# Altium PCB Archim.PcbDoc (part 1 of 5) (continued)
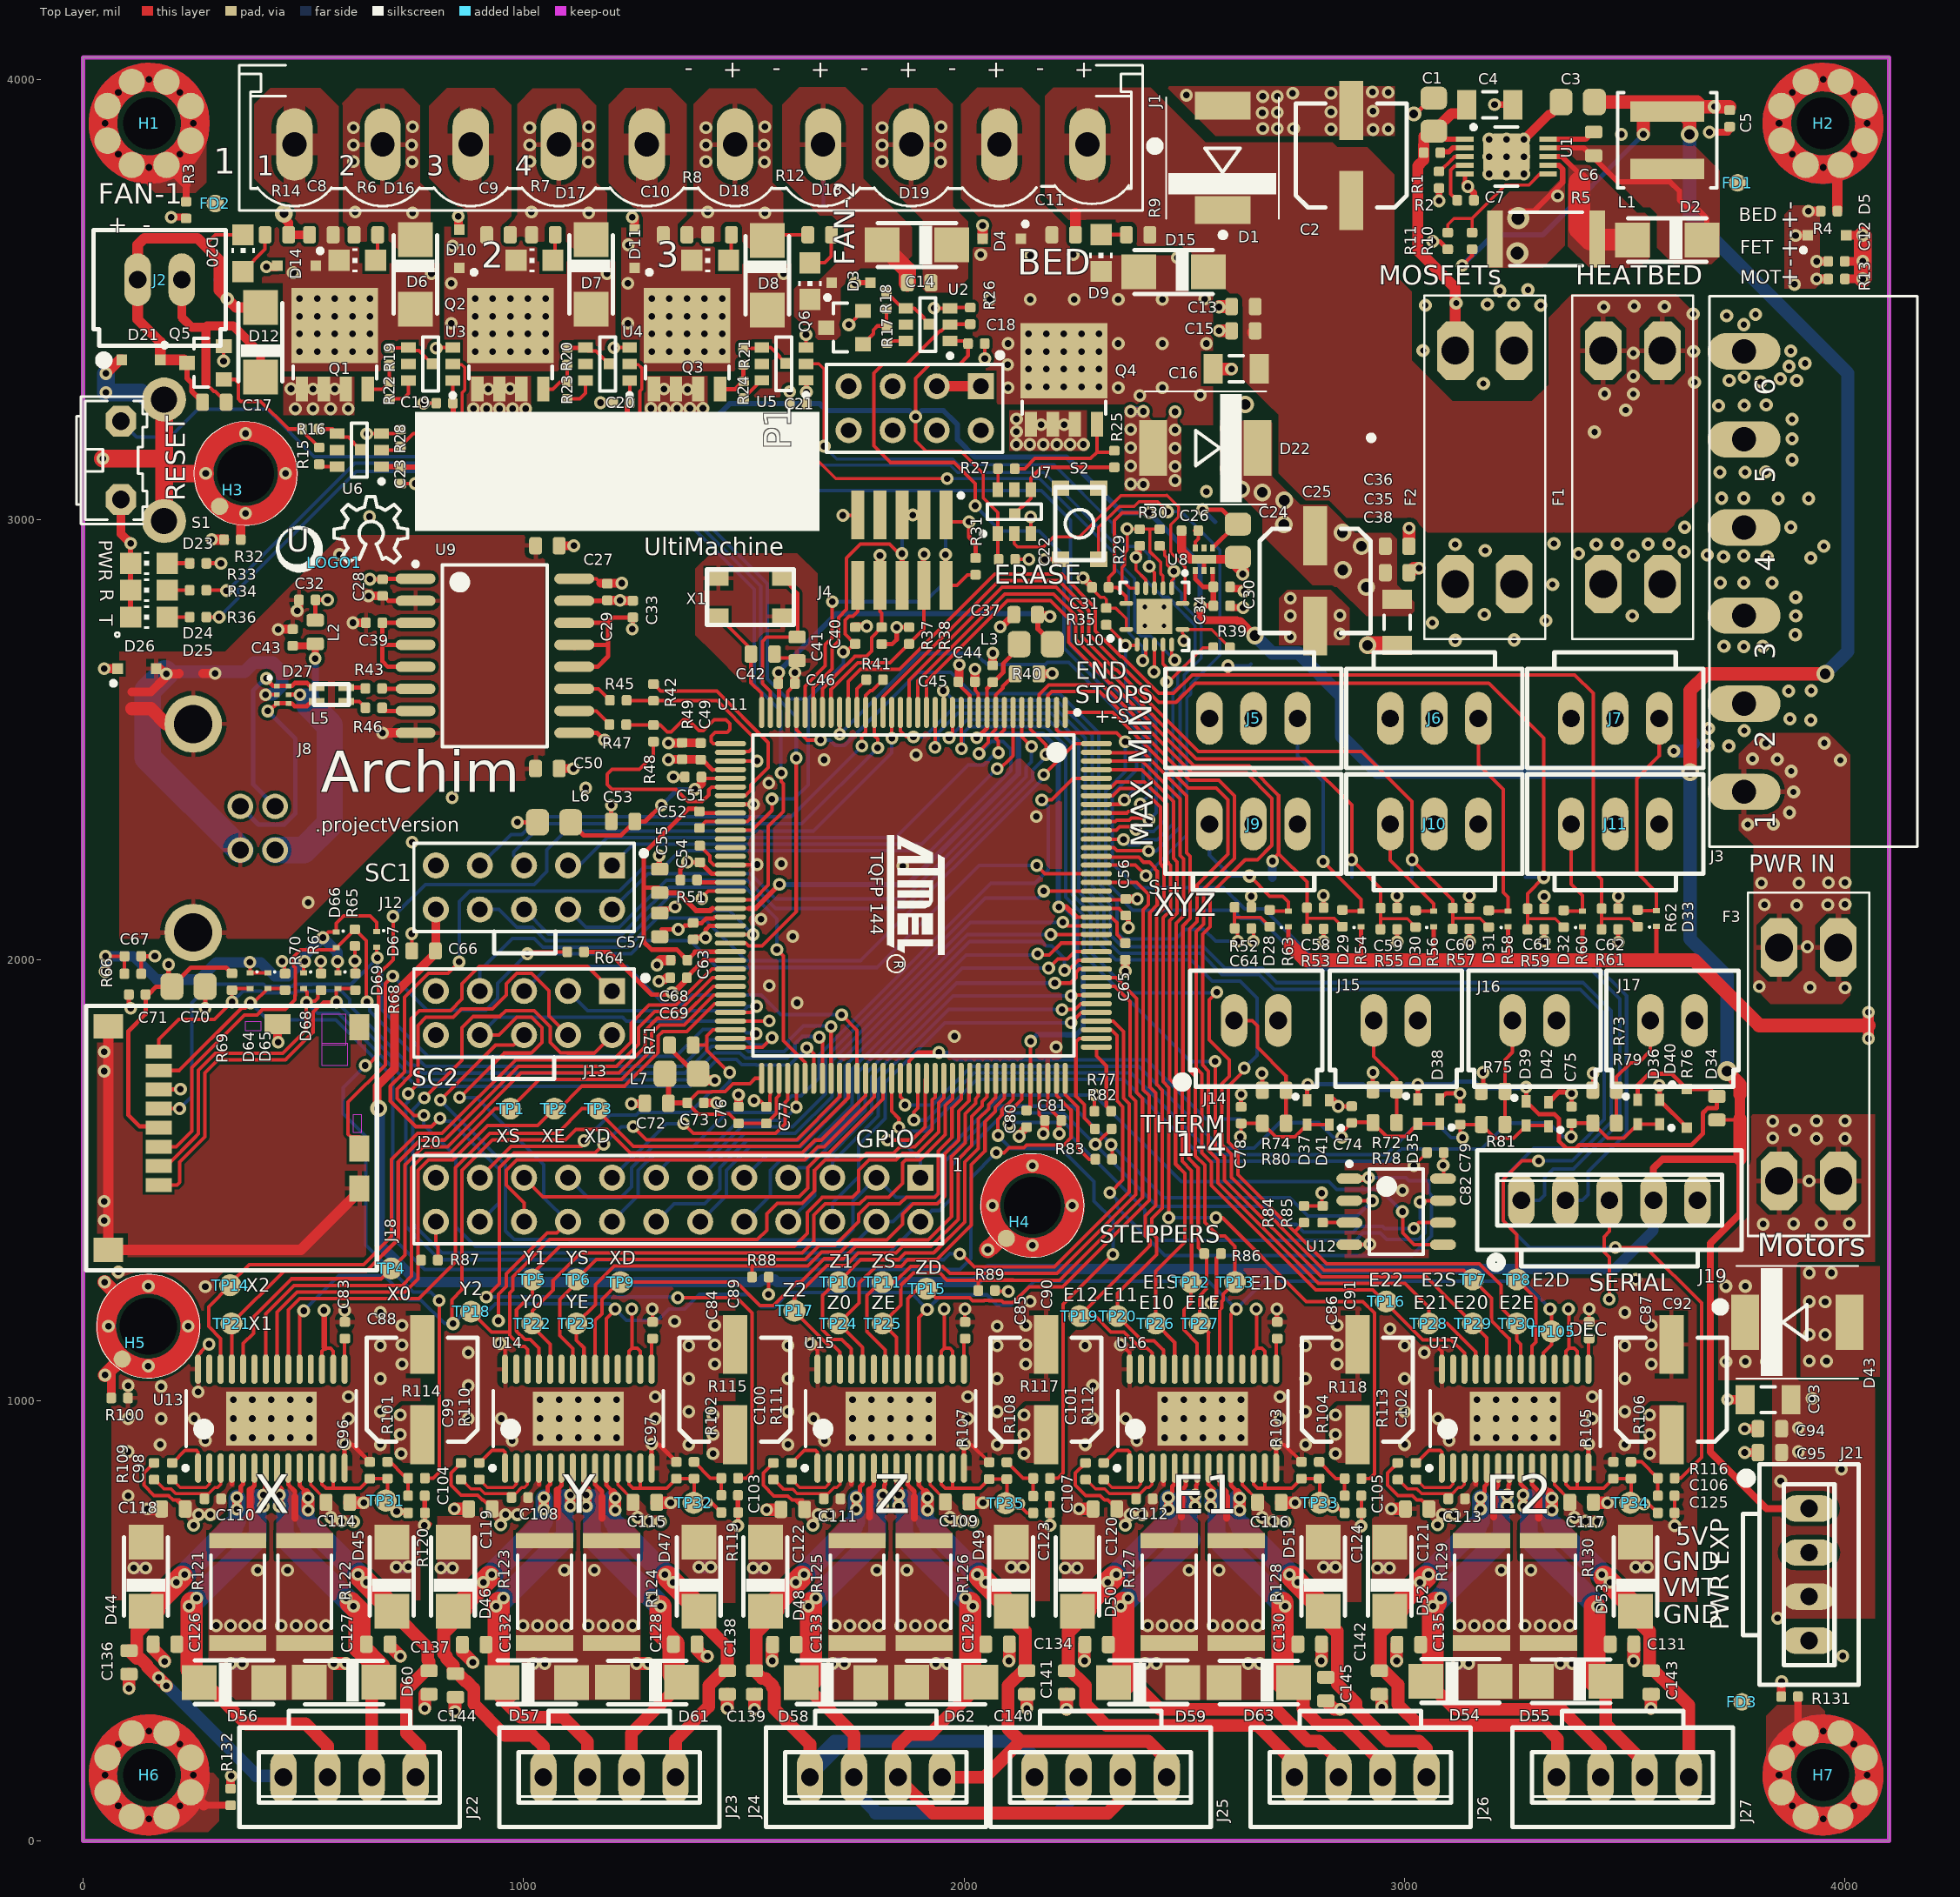
[diagram p0: Top Layer view]
## Components (designator, comment, footprint, x,y, rotation, side; value= is the part's Value field where it differs from the comment) (continued)
D29 "ESD9B3.3ST5G" SOD923-100X40-2N 2901,2094 r90 top (schematic designator D3)
D30 "ESD9B3.3ST5G" SOD923-100X40-2N 3066,2094 r90 top (schematic designator D13)
D31 "ESD9B3.3ST5G" SOD923-100X40-2N 3235,2094 r90 top (schematic designator D3)
D32 "ESD9B3.3ST5G" SOD923-100X40-2N 3404,2094 r90 top (schematic designator D13)
D33 "ESD9B3.3ST5G" SOD923-100X40-2N 3572,2095 r90 top (schematic designator D3)
D34 "MM3Z2V7T1G" SOD323-R 3641,1664 r270 top
D35 "1N4148WT" SOD523 3030,1656 r270 top (schematic designator D4)
D36 "1N4148WT" SOD523 3529,1655 r270 top (schematic designator D4)
D37 "1N4148WT" SOD523 2779,1654.44 r270 top (schematic designator D4)
D38 "1N4148WT" SOD523 3080,1656 r90 top (schematic designator D48)
D39 "1N4148WT" SOD523 3276,1652 r270 top (schematic designator D4)
D40 "1N4148WT" SOD523 3579,1655 r90 top (schematic designator D48)
D41 "1N4148WT" SOD523 2829,1654.44 r90 top (schematic designator D48)
D42 "1N4148WT" SOD523 3327,1650 r90 top (schematic designator D48)
D43 "S3A-13-F" DO-214AB 3891.37,1177.68 r0 top
D44 "SMAJ30A" SMA-SM 143.14,600 r90 top (schematic designator D14)
D45 "SMAJ30A" SMA-SM 701.14,600 r90 top (schematic designator D6)
D46 "SMAJ30A" SMA-SM 840,600 r90 top (schematic designator D14)
D47 "SMAJ30A" SMA-SM 1398,600 r90 top (schematic designator D6)
D48 "SMAJ30A" SMA-SM 1549.12,600 r90 top
D49 "SMAJ30A" SMA-SM 2107.12,600 r90 top
D50 "SMAJ30A" SMA-SM 2257.72,600 r90 top (schematic designator D14)
D51 "SMAJ30A" SMA-SM 2815.72,600 r90 top (schematic designator D6)
D52 "SMAJ30A" SMA-SM 2966.58,600 r90 top (schematic designator D14)
D53 "SMAJ30A" SMA-SM 3524.58,600 r90 top (schematic designator D6)
D54 "SMAJ30A" SMA-SM 3126.58,363 r0 top (schematic designator D16)
D55 "SMAJ30A" SMA-SM 3378,363 r180 top (schematic designator D10)
D56 "SMAJ30A" SMA-SM 342.51,360 r0 top (schematic designator D16)
D57 "SMAJ30A" SMA-SM 1029.53,360 r0 top (schematic designator D16)
D58 "SMAJ30A" SMA-SM 1709.12,360 r0 top
D59 "SMAJ30A" SMA-SM 2417.72,360 r0 top (schematic designator D16)
D60 "SMAJ30A" SMA-SM 592.52,360.24 r180 top (schematic designator D10)
D61 "SMAJ30A" SMA-SM 1280.51,360.24 r180 top (schematic designator D10)
D62 "SMAJ30A" SMA-SM 1959.65,360.24 r180 top
D63 "SMAJ30A" SMA-SM 2669,360 r180 top (schematic designator D10)
D64 "ESD9B3.3ST5G" SOD923-100X40-2N 378.94,1953.74 r270 top
D65 "ESD9B3.3ST5G" SOD923-100X40-2N 419.29,1953.74 r270 top
D66 "ESD9B3.3ST5G" SOD923-100X40-2N 574.8,2046.26 r270 top
D67 "ESD9B3.3ST5G" SOD923-100X40-2N 666.34,2047.24 r270 top
D68 "ESD9B3.3ST5G" SOD923-100X40-2N 500.98,1953.74 r270 top
D69 "ESD9B3.3ST5G" SOD923-100X40-2N 578.74,1953.74 r270 top
F1 "3557-2" 3557 3518,3119 r90 top
F2 "3557-2" 3557 3182,3119 r90 top
F3 "3557-2" 3557 3917.32,1763.78 r270 top
FD1 "FIDUCIAL" FIDUCIAL-1X2 3756,3765 r270 top
FD2 "FIDUCIAL" FIDUCIAL-1X2 300,3718 r90 top
FD3 "FIDUCIAL" FIDUCIAL-1X2 3766,316 r0 top
H1 "Hole" Wave_hole_3x7-singleSided#1 150,3900 r0 top locked
H2 "Hole" Wave_hole_3x7-singleSided#2 3950,3900 r0 top locked
H3 "Standoff" STANDOFF3MMTOPCONN#1 369,3105 r0 top
H4 "Standoff" STANDOFF3MMTOPCONN#2 2155,1443 r0 top
H5 "Standoff" STANDOFF3MMTOPCONN#1 148,1169 r0 top
H6 "Hole" Wave_hole_3x7-singleSided#1 150,150 r0 top locked
H7 "Hole" Wave_hole_3x7-singleSided#3 3950,150 r0 top locked
J1 "Molex 0395311010" MSTBV10 1380,3852 r0 top
J2 "C-GRID-02-70543" 70543-02 174,3545 r0 top
J3 "MSTBH6" MSTBH6 3770.63,2882.48 r90 top locked
J4 "20021121-00010C4LF" FTSH-105-XX-X-DV 1859,2931 r0 top
J5 "Molex 70543-03" 70543-03 2657,2549 r180 top (schematic designator J7)
J6 "Molex 70543-03" 70543-03 3067.5,2549 r180 top (schematic designator J7)
J7 "Molex 70543-03" 70543-03 3478,2549 r180 top
J8 "USB-B" PN61729 250,2300 r270 top
J9 "Molex 70543-03" 70543-03 2657,2309 r0 top (schematic designator J8)
J10 "Molex 70543-03" 70543-03 3067.5,2309 r0 top (schematic designator J8)
J11 "Molex 70543-03" 70543-03 3478,2309 r0 top (schematic designator J8)
J12 "Header 5X2" HDR2X5 1201,2215 r180 top
J13 "Header 5X2" HDR2X5 1201,1930 r180 top
J14 "C-GRID-02-70543" 70543-02 2663,1863 r0 top (schematic designator J8)
J15 "C-GRID-02-70543" 70543-02 2980,1863 r0 top (schematic designator J8)
J16 "C-GRID-02-70543" 70543-02 3295,1863 r0 top (schematic designator J8)
J17 "C-GRID-02-70543" 70543-02 3608,1863 r0 top (schematic designator J8)
J18 "502570-0893" "502570-0893 - MOLEX SD" 337.13,1596 r90 top
J19 "0705430004" 5POL254 3465,1455 r0 top
J20 "Header 12X2" HDR2X12 1901,1506 r180 top
J21 "Molex 0705430003" 4POL254 3918,605 r270 top
J22 "Molex 0705430003" 4POL254 605,145 r180 top (schematic designator J9)
J23 "Molex 0705430003" 4POL254 1195,145 r180 top (schematic designator J9)
J24 "Molex 0705430003" 4POL254 1800,145 r180 top
J25 "Molex 0705430003" 4POL254 2310,145 r180 top
J26 "Molex 0705430003" 4POL254 2900,145 r180 top (schematic designator J9)
J27 "Molex 0705430003" 4POL254 3495,145 r180 top (schematic designator J9)
L1 "XAL5050-153MEB" XAL50XX-153 3596.31,3861.43 r90 top
L2 "MPZ1608S221A" C0603 527,2745 r270 top
L3 "LQM21FN100M70L" C0805 2162.4,2717.52 r0 top
L5 "DLW21HN900SQ2L" DLW21HN900SQ2L 564,2602.81 r180 top
L6 "LQM21FN100M70L" C0805 1069,2313 r0 top
L7 "LQM21FN100M70L" C0805 1359,1742 r180 top
LOGO1 "OSHW_LOGO_8MILX0150-NT" OSHW_8X150_NOTEXT 569.88,2902.56 r0 top
P1 "Header 4X2" HDR2X4 2038,3303 r180 top
Q1 "PSMN7R0-60YS,115" SOT669 571.5,3397.03 r0 top
Q2 "PSMN7R0-60YS,115" SOT669 970,3397.03 r0 top
Q3 "PSMN7R0-60YS,115" SOT669 1371,3397.03 r0 top
Q4 "PSMN7R0-60YS,115" SOT669 2226.5,3317.03 r0 top
Q5 "IRLML6346TRPBF" SOT23-3 280,3356 r90 top
Q6 "IRLML6346TRPBF" SOT23-3 1731,3436 r90 top
R1 "200K" R0402 3062.31,3833.43 r180 top
R2 "10K" R0402 3078,3772 r270 top
R3 "R0402TBD" R0402 234,3703 r90 top
R4 "R0402TBD" R0402 3963.58,3700.63 r0 top
R5 "0.6r" 2512R-0.55 3321.31,3637.43 r0 top
R6 "1.8K" R0603#1 642,3647 r180 top
R7 "1.8K" R0603#1 1045,3647 r180 top
R8 "1.8K" R0603#1 1445,3646.99 r180 top
R9 "1.8K" R0603#1 2395,3646.99 r0 top
R10 "10K" R0402 3153.31,3632.99 r90 top
R11 "10K" R0402 3098,3633 r270 top
R12 "1.8K" R0603#1 1672,3647 r180 top
R13 "24r" R0402 3980.51,3546.66 r0 top
R14 "1.8K" R0603#1 440,3647 r0 top
R15 "10r" R0402 536,3145 r90 top
R16 "10r" R0402 516,3206 r180 top
R17 "10r" R0402 1825,3420 r90 top
R18 "10r" R0402 1824,3498 r270 top
R19 "10r" R0402 695.47,3371.06 r270 top
R20 "10r" R0402 1099.02,3371.06 r270 top
R21 "10r" R0402 1499,3371 r270 top
R22 "10r" R0402 696.46,3293.31 r90 top
R23 "10r" R0402 1099.02,3293.31 r90 top
R24 "10r" R0402 1500,3295 r90 top
R25 "10r" R0402 2341,3138 r90 top
R26 "10K" R0402 2014,3463 r270 top
R27 "10r" R0402 2096,3116 r0 top
R28 "10K" R0402 721,3186 r270 top
R29 "10K" R0402 2398.62,2959.65 r270 top
R30 "10K" R0402 2443.9,2959.65 r270 top
R31 "100K" R0402 2026,2894 r90 top
R32 "R0402TBD" R0402 339,2955 r0 top
R33 "1K" R0402 260.99,2901 r0 top
R34 "1K" R0402 261,2840 r180 top
R35 "10K" R0402 2322.83,2780.51 r270 top
R36 "1K" R0402 261,2779 r180 top
R37 "100K" R0402 1813,2737 r270 top
R38 "100K" R0402 1875,2736.99 r90 top
R39 "10K" R0402 2584.65,2709.65 r180 top
R40 "4.7K" R0603#1 2143,2650 r180 top
R41 "1k" R0402 1797,2637 r180 top
R42 "24r" R0402 1295,2608 r270 top
R43 "24r" R0402 660,2617 r180 top
R45 "24r" R0402 1215,2590 r180 top
R46 "24r" R0402 660,2573 r180 top
R47 "24r" R0402 1214,2535 r180 top
R48 "24r" R0402 1295,2515 r90 top
R49 "6.8K" R0402 1360,2475 r270 top
R51 "100K" R0402 1375,2182 r180 top
R52 "100K" R0402 2633,2120 r0 top (schematic designator R35)
R53 "100K" R0402 2797,2071 r0 top (schematic designator R22)
R54 "1k" R0402 2859,2095 r90 top (schematic designator R19)
R55 "100K" R0402 2964,2070 r0 top (schematic designator R35)
R56 "1k" R0402 3025,2094 r90 top (schematic designator R23)
R57 "100K" R0402 3128,2071 r0 top (schematic designator R22)
R58 "1k" R0402 3191,2094 r90 top (schematic designator R19)
R59 "100K" R0402 3297.82,2069.82 r0 top (schematic designator R35)
R60 "1k" R0402 3361,2094 r90 top (schematic designator R23)
R61 "100K" R0402 3466,2070 r0 top (schematic designator R22)
R62 "1k" R0402 3529,2095 r90 top (schematic designator R19)
R63 "1k" R0402 2694,2095 r90 top (schematic designator R23)
R64 "10K" R0402 1118.11,2018.7 r0 top
R65 "10K" R0402 617.13,2051.18 r90 top
R66 "R0402TBD" R0402 113,1969 r0 top
R67 "10K" R0402 540.35,1950.79 r90 top
R68 "10K" R0402 618.11,1950.79 r90 top
R69 "10K" R0402 338.13,1951 r270 top
R70 "10K" R0402 458.66,1950.79 r270 top
R71 "4.7K" R0603#1 1358,1807 r0 top
R72 "4.7K" R0603#1 2955,1706 r180 top (schematic designator R7)
R73 "4.7K" R0603#1 3454,1705 r180 top (schematic designator R7)
R74 "4.7K" R0603#1 2704,1704.44 r180 top (schematic designator R7)
R75 "4.7K" R0603#2 3201,1702 r0 top (schematic designator R7)
R76 "430r" R0603#1 3709,1664 r270 top
R77 "24r" R0402 2315,1657 r0 top
R78 "4.7K" R0603#1 2955,1631 r180 top (schematic designator R188)
R79 "4.7K" R0603#1 3454,1630 r180 top (schematic designator R188)
R80 "4.7K" R0603#1 2704,1629.44 r180 top (schematic designator R188)
R81 "4.7K" R0603#2 3201,1627 r0 top (schematic designator R188)
R82 "24r" R0402 2316,1617 r180 top
R83 "24r" R0402 2317,1548 r180 top
R84 "10K" R0402 2771.65,1423.23 r90 top (schematic designator R129)
R85 "10K" R0402 2814,1423 r90 top
R86 "10K" R0402 2563.98,1333.66 r0 top (schematic designator R129)
R87 "10K" R0402 786.42,1318.9 r0 top (schematic designator R129)
R88 "10K" R0402 1537.4,1280.51 r0 top (schematic designator R129)
R89 "10K" R0402 2051.18,1250 r0 top
R100 "R0402TBD" R0402 83,1006 r180 top
R101 "10K" R0402 691,842 r270 top (schematic designator R39)
R102 "10K" R0402 1387,842 r270 top (schematic designator R39)
R103 "100K" R0402 2766,842 r270 top (schematic designator R24)
R104 "10K" R0402 2806,842 r270 top (schematic designator R39)
R105 "100K" R0402 3474,842 r270 top (schematic designator R24)
R106 "10K" R0402 3514,842 r270 top (schematic designator R39)
R107 "100K" R0402 2057,841 r270 top
R108 "10K" R0402 2097,841 r270 top
R109 "1M" R0402 161.14,839.7 r90 top (schematic designator R21)
R110 "1M" R0402 858,839.7 r90 top (schematic designator R21)
R111 "1M" R0402 1567.12,839.7 r90 top
R112 "1M" R0402 2275.72,839.7 r90 top (schematic designator R21)
R113 "1M" R0402 2984.58,839.7 r90 top (schematic designator R21)
R114 "10K" R0402 757,824 r180 top (schematic designator R20)
R115 "10K" R0402 1468,824 r180 top (schematic designator R20)
R116 "10K" R0402 3594,824 r180 top (schematic designator R20)
R117 "10K" R0402 2176,823.42 r180 top
R118 "10K" R0402 2883,823 r180 top (schematic designator R20)
R119 "100K" R0402 1468,746 r180 top (schematic designator R24)
R120 "100K" R0402 757,745 r180 top (schematic designator R24)
R121 "2512" 2512R-0.55 351.14,566 r90 top (schematic designator R28)
R122 "2512" 2512R-0.55 503.14,566 r90 top (schematic designator R29)
R123 "2512" 2512R-0.55 1048,566 r90 top (schematic designator R28)
R124 "2512" 2512R-0.55 1200,566 r90 top (schematic designator R29)
R125 "2512" 2512R-0.55 1757.12,566 r90 top
R126 "2512" 2512R-0.55 1909.12,566 r90 top
R127 "2512" 2512R-0.55 2465.72,566 r90 top (schematic designator R28)
R128 "2512" 2512R-0.55 2617.72,566 r90 top (schematic designator R29)
R129 "2512" 2512R-0.55 3174.58,566 r90 top (schematic designator R28)
R130 "2512" 2512R-0.55 3326.58,566 r90 top (schematic designator R29)
R131 "R0402TBD" R0402 3874,328 r0 top
R132 "R0402TBD" R0402 335,100 r270 top
S1 "1571610-2" B3F-31XX 135,3135 r270 top locked
S2 "KMR741NG ULC LFS" "KMR 6 Series" 2262,2991 r90 top
TP1 "TP4" TP-2 970,1663 r180 top (schematic designator TP105)
TP2 "TP4" TP-2 1070,1663 r180 top (schematic designator TP15)
TP3 "TP4" TP-2 1170,1663 r180 top (schematic designator TP23)
TP4 "TP4" TP-2 700,1300 r180 top (schematic designator TP22)
TP5 "TP4" TP-2 1020,1275 r180 top (schematic designator TP21)
TP6 "TP4" TP-2 1120,1275 r180 top (schematic designator TP105)
TP7 "TP4" TP-2 3155,1275 r180 top (schematic designator TP105)
TP8 "TP4" TP-2 3255,1275 r180 top (schematic designator TP23)
TP9 "TP4" TP-2 1220,1269 r180 top (schematic designator TP23)
TP10 "TP4" TP-2 1715,1269 r90 top
TP11 "TP4" TP-2 1815,1269 r90 top
TP12 "TP4" TP-2 2515,1269 r180 top (schematic designator TP105)
TP13 "TP4" TP-2 2615,1269 r180 top (schematic designator TP23)
TP14 "TP4" TP-2 334,1262 r180 top (schematic designator TP24)
TP15 "TP4" TP-2 1915,1254 r90 top
TP16 "TP4" TP-2 2958,1225 r180 top (schematic designator TP24)
TP17 "TP4" TP-2 1615,1204 r90 top
TP18 "TP4" TP-2 881,1202 r180 top (schematic designator TP24)
TP19 "TP4" TP-2 2262,1192 r180 top (schematic designator TP24)
TP20 "TP4" TP-2 2348.5,1192 r180 top (schematic designator TP21)
TP21 "TP4" TP-2 337,1175 r180 top
TP22 "TP4" TP-2 1020,1175 r180 top
TP23 "TP4" TP-2 1120,1175 r180 top (schematic designator TP15)
TP24 "TP4" TP-2 1715,1175 r90 top
TP25 "TP4" TP-2 1815,1175 r180 top
TP26 "TP4" TP-2 2435,1175 r180 top (schematic designator TP22)
TP27 "TP4" TP-2 2535,1175 r180 top (schematic designator TP15)
TP28 "TP4" TP-2 3055,1175 r180 top (schematic designator TP21)
TP29 "TP4" TP-2 3155,1175 r180 top (schematic designator TP22)
TP30 "TP4" TP-2 3255,1175 r180 top (schematic designator TP15)
TP31 "TP4" TP-2 687,773 r90 top (schematic designator TP10)
TP32 "TP4" TP-2 1386,768 r90 top (schematic designator TP10)
TP33 "TP4" TP-2 2807,768 r90 top (schematic designator TP10)
TP34 "TP4" TP-2 3512,768 r90 top (schematic designator TP10)
TP35 "TP4" TP-2 2094,767 r90 top
TP36 "TP4" TP-2 3645,3828 r90 bottom
TP37 "TP4" TP-2 2079,3606 r270 bottom
TP38 "TP4" TP-2 1277,3606 r270 bottom
TP39 "TP4" TP-2 880,3606 r90 bottom
TP40 "TP4" TP-2 490,3595 r0 bottom
TP41 "TP4" TP-2 1681,3715 r90 bottom
TP42 "TP4" TP-2 299,3545 r90 bottom
TP43 "TP4" TP-2 3454,3234 r90 bottom
TP44 "TP4" TP-2 3454,3049 r90 bottom
TP45 "TP4" TP-2 3121,3661 r180 bottom
TP46 "TP4" TP-2 2914,3385 r90 bottom
TP47 "TP4" TP-2 2569.88,2995.08 r90 bottom
TP48 "TP4" TP-2 3252,2996 r90 bottom
TP49 "TP4" TP-2 1958,2963 r0 bottom
TP50 "TP4" TP-2 1859,2963 r0 bottom
TP51 "TP4" TP-2 3924,2982 r180 bottom
TP52 "TP4" TP-2 1909,2863 r0 bottom
TP53 "TP4" TP-2 1809,2863 r0 bottom
TP54 "TP4" TP-2 2579,2867.6 r90 bottom
TP55 "TP4" TP-2 3933,3311 r90 bottom
TP56 "TP4" TP-2 1646,2593 r90 bottom
TP57 "TP4" TP-2 3897,2257 r90 bottom
TP58 "TP4" TP-2 386,2499 r90 bottom
TP59 "TP4" TP-2 482,2420 r90 bottom
TP60 "TP4" TP-2 261.81,2347.44 r90 bottom
TP61 "TP4" TP-2 554.13,2313.98 r90 bottom
TP62 "TP4" TP-2 2651,2672 r270 bottom (schematic designator TP11)
TP63 "TP4" TP-2 3274,2188 r270 bottom (schematic designator TP17)
TP64 "TP4" TP-2 3017,2188 r270 bottom (schematic designator TP11)
TP65 "TP4" TP-2 2880,2188 r270 bottom (schematic designator TP17)
TP66 "TP4" TP-2 2700,2188 r270 bottom (schematic designator TP11)
TP67 "TP4" TP-2 2502,2070 r270 bottom (schematic designator TP17)
TP68 "TP4" TP-2 4001,1850 r90 bottom
TP69 "TP4" TP-2 2955,1706 r0 bottom
TP70 "TP4" TP-2 2627,1639 r0 bottom (schematic designator TP101)
TP71 "TP4" TP-2 2805,1631 r0 bottom (schematic designator TP101)
TP72 "TP4" TP-2 3329,1630 r0 bottom (schematic designator TP101)
TP73 "TP4" TP-2 3076,1627 r270 bottom (schematic designator TP101)
TP74 "TP4" TP-2 3055.12,1500.98 r90 bottom
TP75 "TP4" TP-2 2725,1497 r0 bottom
TP76 "TP4" TP-2 2825,1419 r0 bottom
TP77 "TP4" TP-2 2725,1400 r0 bottom
TP78 "TP4" TP-2 2625,1365.5 r90 bottom
TP79 "TP4" TP-2 3910.43,1343.5 r90 bottom
TP80 "TP4" TP-2 687,773 r0 bottom (schematic designator TP25)
TP81 "TP4" TP-2 3512,768 r0 bottom (schematic designator TP25)
TP82 "TP4" TP-2 2807,768 r0 bottom (schematic designator TP25)
TP83 "TP4" TP-2 1386,768 r0 bottom (schematic designator TP25)
TP84 "TP4" TP-2 2094,767 r0 bottom
TP85 "TP4" TP-2 3401,662 r90 bottom (schematic designator TP18)
TP86 "TP4" TP-2 3301,662 r90 bottom (schematic designator TP19)
TP87 "TP4" TP-2 3201,662 r270 bottom (schematic designator TP17)
TP88 "TP4" TP-2 3101,662 r270 bottom (schematic designator TP11)
TP89 "TP4" TP-2 2692.14,662 r270 bottom (schematic designator TP18)
TP90 "TP4" TP-2 2592.14,662 r270 bottom (schematic designator TP19)
TP91 "TP4" TP-2 2492.14,662 r270 bottom (schematic designator TP17)
TP92 "TP4" TP-2 2392.14,662 r270 bottom (schematic designator TP11)
TP93 "TP4" TP-2 1983.54,662 r90 bottom
TP94 "TP4" TP-2 1883.54,662 r90 bottom
TP95 "TP4" TP-2 1783.54,662 r90 bottom
TP96 "TP4" TP-2 1683.54,662 r90 bottom
TP97 "TP4" TP-2 1274.42,662 r270 bottom (schematic designator TP18)
TP98 "TP4" TP-2 1174.42,662 r270 bottom (schematic designator TP19)
TP99 "TP4" TP-2 1074.42,662 r270 bottom (schematic designator TP17)
TP100 "TP4" TP-2 974.42,662 r270 bottom (schematic designator TP11)
TP101 "TP4" TP-2 577.57,662 r90 bottom (schematic designator TP18)
TP102 "TP4" TP-2 477.57,662 r90 bottom (schematic designator TP19)
TP103 "TP4" TP-2 377.57,662 r90 bottom (schematic designator TP17)
TP104 "TP4" TP-2 277.57,662 r90 bottom (schematic designator TP11)
TP105 "TP4" TP-2 3334,1157 r90 top
U1 "LM25011MY/NOPB" VSSOP10 3231.31,3824.43 r0 top
U2 "ZXGD3009E6" SOT26P285X140-6L 1918,3443 r180 top
U3 "ZXGD3009E6" SOT26P285X140-6L 788.98,3353.35 r180 top
U4 "ZXGD3009E6" SOT26P285X140-6L 1190.55,3353.35 r180 top
U5 "ZXGD3009E6" SOT26P285X140-6L 1591.2,3354 r180 top
U6 "ZXGD3009E6" SOT26P285X140-6L 627.28,3157.87 r180 top
U7 "ZXGD3009E6" SOT26P285X140-6L 2114,3018.32 r90 top
U8 "MIC5353-3.3YMT-TR" TDFN1616-6LD-PL-1 2544.65,2910.6 r0 top
U9 "ADuM4160" ADuM4160 935,2691 r0 top
U10 "SN74AHCT125RGYR" QFN50P350X350X100_RGY_S-PVQFN-N14 2432.09,2780.51 r0 top
U11 "ATSAM3X8EA-AU" LQFP144_N 1885,2147.1 r270 top locked
U12 "S25FL216K0PMFI041" S25FL216K0PMFI041 2981,1429 r0 top
U13 "DRV8825" DRV8825PWPR 427.44,959 r0 top (schematic designator U2)
U14 "DRV8825" DRV8825PWPR 1124.3,959 r0 top (schematic designator U2)
U15 "DRV8825" DRV8825PWPR 1833.42,959 r0 top
U16 "DRV8825" DRV8825PWPR 2542.02,959 r0 top (schematic designator U2)
U17 "DRV8825" DRV8825PWPR 3250.88,959 r0 top (schematic designator U2)
X1 "405C35B12M00000" CRYS320500 1515,2824 r0 top

## Footprints (in the part's own frame and the unit in brackets; to place one, negate y for a bottom-side part, rotate by r counter-clockwise, add the part's x,y. Pads: shape width x height; smd on the part's side, far side on the other; paste and mask are expansions set on the pad)
4POL254 [mil]
  oval 60x120 hole 40: 1(-150,0) 2(-50,0) 3(50,0) 4(150,0)
  silkscreen extent -250,-150 250,113, body extent -250,-150 250,113, height 454
5POL254 [mil]
  oval 60x120 hole 40: 1(-200,0) 2(-100,0) 3(0,0) 4(100,0) 5(200,0)
  silkscreen extent -300,-150 300,113, body extent -300,-150 300,113, height 454
2512R-0.55 [mm] "2512 Resistor 6.35mm x 3.2mm x 0.55mm"
  rect 0.9x3.3 smd: 1(-2.95,0) 2(2.95,0)
  silkscreen extent -2.1,-1.55 2.1,1.55, body extent -3.22,-1.68 3.22,1.68, height 0.65
3557 [mil] "3557"
  oct 133x83 hole 63: 1(-265,-67) 1(-265,67) 2(265,-67) 2(265,67)
  silkscreen extent -390,-138 390,138, body extent -392,-140 392,140, height 709
70543-02 [mil]
  oval 60x120 hole 40: 1(-50,0) 2(50,0)
  silkscreen extent -150,-150 150,113, body extent -150,-150 150,113, height 450
70543-03 [mil]
  oval 60x120 hole 40: 1(-100,0) 2(0,0) 3(100,0)
  silkscreen extent -200,-150 200,113, body extent -200,-150 200,113, height 450
"502570-0893 - MOLEX SD" [mm] "Molex SD Card Footprint 502570-0893"
  rect 0.8x1.5 smd: 1(-2.7,4.2) 2(-1.6,4.2) 3(-0.5,4.2) 4(0.6,4.2) 5(1.7,4.2) 6(2.8,4.2) 7(3.9,4.2) 8(5,4.2)
  rect 1.4x1.7 smd: 9(-6.45,7.1) 10(6.45,7.1)
  rect 1.5x1.15 smd: 11(-2.9,-7.375) 12(-0.6,-7.375) 13(6.4,-7.375)
  rect 1.15x1.5 smd paste+0: 14(6.575,-2.65)
  Top Layer keep-out region: 7.125,-6.6 7.125,-5.2 5.375,-5.2 5.375,-6.6
  Top Layer keep-out region: 5.45,-6.7 5.45,-5.199 4.2,-5.199 4.2,-6.7
  Top Layer keep-out region: 1.35,-7.5 1.35,-7 0.35,-7 0.35,-7.5
  Top Layer keep-out region: 6.7,-1.7 6.7,-0.775 6.2,-0.775 6.2,-1.7
  silkscreen extent -7.62,-8.38 7.62,8.38, body extent -6.86,-7.75 6.94,7.75, height 1.85
ADuM4160 [mm] "SOIC, 16-Leads, Body 10.30x7.50mm, Pitch 1.27mm, IPC Medium Density"
  oval 2.3x0.6 smd: 1(-4.575,4.445) 2(-4.575,3.175) 3(-4.575,1.905) 4(-4.575,0.635) 5(-4.575,-0.635) 6(-4.575,-1.905) 7(-4.575,-3.175) 8(-4.575,-4.445) 9(4.575,-4.445) 10(4.575,-3.175) 11(4.575,-1.905) 12(4.575,-0.635) 13(4.575,0.635) 14(4.575,1.905) 15(4.575,3.175) 16(4.575,4.445)
  silkscreen extent -4.7,-5.25 3.03,5.42, body extent -3.8,-5.25 3.8,5.25, height 2.65
B3F-31XX [mil]
  oct 70x70 hole 40: 1(-89,-49) 2(89,-49)
  round 100 hole 59: 3(-138,49) 4(138,49)
  silkscreen extent -145,-150 145,10, body extent -165,-200 165,109, height 303
C0402 [mil]
  rrect40% 22x24 smd: 1(-18.7,0) 2(19,0)
  body extent -20,-10 20,10, height 20
C0603 [mm]
  rrect40% 0.74x1 smd: 1(-0.68,0) 2(0.68,0)
  body extent -0.8,-0.4 0.8,0.4, height 0.8
C0805 [mil]
  rrect50% 52x60 smd: 1(-37.4,0) 2(38,0)
  body extent -40,-30 40,30, height 35
C1206 [mm]
  rect 1.1x1.7 smd: 1(-1.325,0) 2(1.325,0)
  silkscreen extent -0.4,-0.75 0.4,0.75, body extent -1.68,-0.87 1.67,0.88, height 1.6
CAP-ELEC-063063077 [mm] "6.3x6.3x7.7mm"
  rect 3.4x1.4 smd: 1(2.6,0) 2(-2.6,0)
  silkscreen extent -3,-3.2 3,3.2, body extent -3.5,-3.3 3.5,3.3, height 5.4
CRYS320500 [mm]
  rect 1.2x0.9 smd: 1(-1.85,-1.1) 2(1.85,-1.1) 3(1.85,1.1) 4(-1.85,1.1)
  silkscreen extent -2.5,-1.6 2.5,1.6, body extent -2.55,-1.65 2.55,1.65, height 1.05
DLW21HN900SQ2L [mm]
  rect 0.9x0.4 smd: 1(-0.85,0.4) 2(0.85,0.4) 3(0.85,-0.4) 4(-0.85,-0.4)
  silkscreen extent -1,-0.6 1,0.6, body extent -1,-0.6 1,0.6, height 1
DO-214AB [mil]
  rect 63x126 smd: A(119,0) C(-118.11,0)
  silkscreen extent -138,-128 138,128, body extent -140,-130 140,130, height 98
DRV8825PWPR [mm] "PowerPAD (HTSSOP) - PWP"
  oval 0.35x1.7 smd: 1(-4.225,-2.85) 2(-3.575,-2.85) 3(-2.925,-2.85) 4(-2.275,-2.85) 5(-1.625,-2.85) 6(-0.975,-2.85) 7(-0.325,-2.85) 8(0.325,-2.85) 9(0.975,-2.85) 10(1.625,-2.85) 11(2.275,-2.85) 12(2.925,-2.85) 13(3.575,-2.85) 14(4.225,-2.85) 15(4.225,2.85) 16(3.575,2.85) 17(2.925,2.85) 18(2.275,2.85) 19(1.625,2.85) 20(0.975,2.85) 21(0.325,2.85) 22(-0.325,2.85) 23(-0.975,2.85) 24(-1.625,2.85) 25(-2.275,2.85) 26(-2.925,2.85) 27(-3.575,2.85) 28(-4.225,2.85)
  rect 5.22x3.1 smd mask-6: 29(0,0)
  silkscreen extent -5.07,-2.97 4.9,1.6, body extent -4.9,-2.25 4.9,2.25, height 1.2
FIDUCIAL-1X2 [mil]
  rrect100% 40x40 smd paste-3897.64 mask+20: 1(0,0)
  body extent -20,-20 20,20, height 1
FTSH-105-XX-X-DV [mm] "1.27mm pitch, 10 pin, terminal strip; vertical, SMT"
  rect 0.75x2.8 smd: 1(2.54,2.03) 2(2.54,-2.03) 3(1.27,2.03) 4(1.27,-2.03) 5(0,2.03) 6(0,-2.03) 7(-1.27,2.03) 8(-1.27,-2.03) 9(-2.54,2.03) 10(-2.54,-2.03)
  silkscreen extent 3.28,3.03 3.52,3.27
HDR2X4 [mm] "Connector; Header; 4x2 Position"
  rect 1.5x1.5 hole 0.9: 1(0,0)
  round 1.5 hole 0.9: 2(0,2.54) 3(2.54,0) 4(2.54,2.54) 5(5.08,0) 6(5.08,2.54) 7(7.62,0) 8(7.62,2.54)
  silkscreen extent -1.27,-1.27 8.89,3.81, body extent -1.37,-1.37 8.99,3.91, height 6.35
HDR2X5 [mm] "Connector; Header; 5x2 Position"
  rect 1.5x1.5 hole 0.9: 1(0,0)
  round 1.5 hole 0.9: 2(0,2.54) 3(2.54,0) 4(2.54,2.54) 5(5.08,0) 6(5.08,2.54) 7(7.62,0) 8(7.62,2.54) 9(10.16,0) 10(10.16,2.54)
  silkscreen extent -1.27,-1.27 11.43,3.81, body extent -1.37,-1.37 11.53,3.91, height 6.35
HDR2X12 [mm] "Connector; Header; 12x2 Position"
  rect 1.5x1.5 hole 0.9: 1(0,0)
  round 1.5 hole 0.9: 2(0,2.54) 3(2.54,0) 4(2.54,2.54) 5(5.08,0) 6(5.08,2.54) 7(7.62,0) 8(7.62,2.54) 9(10.16,0) 10(10.16,2.54) 11(12.7,0) 12(12.7,2.54) 13(15.24,0) 14(15.24,2.54) 15(17.78,0) 16(17.78,2.54) 17(20.32,0) 18(20.32,2.54) 19(22.86,0) 20(22.86,2.54) 21(25.4,0) 22(25.4,2.54) 23(27.94,0) 24(27.94,2.54)
  silkscreen extent -1.27,-1.27 29.21,3.81, body extent -1.37,-1.37 29.31,3.91, height 10
"KMR 6 Series" [mm] "Tactile Switch SPST-NO Top Actuated Surface Mount"
  rect 0.9x1 smd: 1(-2.05,1.1) 2(2.05,1.1) 3(-2.05,-1.1) 4(2.05,-1.1)
  silkscreen extent -2.1,-1.4 2.1,1.4, body extent -2.1,-1.4 2.1,1.4, height 1.9
LED2012120 [mil]
  rect 48x48 smd: A(-41.34,0) C(42,0)
  silkscreen extent 0,-27 12,27, body extent -50,-25 50,25, height 28
LQFP144_N [mm] "Thin QFP, 144-Leads, Body 20x20mm, Pitch 0.5mm, IPC Medium Density"
  oval 1.8x0.3 smd: 1(-10.55,8.75) 2(-10.55,8.25) 3(-10.55,7.75) 4(-10.55,7.25) 5(-10.55,6.75) 6(-10.55,6.25) 7(-10.55,5.75) 8(-10.55,5.25) 9(-10.55,4.75) 10(-10.55,4.25) 11(-10.55,3.75) 12(-10.55,3.25) 13(-10.55,2.75) 14(-10.55,2.25) 15(-10.55,1.75) 16(-10.55,1.25) 17(-10.55,0.75) 18(-10.55,0.25) 19(-10.55,-0.25) 20(-10.55,-0.75) 21(-10.55,-1.25) 22(-10.55,-1.75) 23(-10.55,-2.25) 24(-10.55,-2.75) 25(-10.55,-3.25) 26(-10.55,-3.75) 27(-10.55,-4.25) 28(-10.55,-4.75) 29(-10.55,-5.25) 30(-10.55,-5.75) 31(-10.55,-6.25) 32(-10.55,-6.75) 33(-10.55,-7.25) 34(-10.55,-7.75) 35(-10.55,-8.25) 36(-10.55,-8.75) 73(10.55,-8.75) 74(10.55,-8.25) 75(10.55,-7.75) 76(10.55,-7.25) 77(10.55,-6.75) 78(10.55,-6.25) 79(10.55,-5.75) 80(10.55,-5.25) 81(10.55,-4.75) 82(10.55,-4.25) 83(10.55,-3.75) 84(10.55,-3.25) 85(10.55,-2.75) 86(10.55,-2.25) 87(10.55,-1.75) 88(10.55,-1.25) 89(10.55,-0.75) 90(10.55,-0.25) 91(10.55,0.25) 92(10.55,0.75) 93(10.55,1.25) 94(10.55,1.75) 95(10.55,2.25) 96(10.55,2.75) 97(10.55,3.25) 98(10.55,3.75) 99(10.55,4.25) 100(10.55,4.75) 101(10.55,5.25) 102(10.55,5.75) 103(10.55,6.25) 104(10.55,6.75) 105(10.55,7.25) 106(10.55,7.75) 107(10.55,8.25) 108(10.55,8.75)
  oval 0.3x1.8 smd: 37(-8.75,-10.55) 38(-8.25,-10.55) 39(-7.75,-10.55) 40(-7.25,-10.55) 41(-6.75,-10.55) 42(-6.25,-10.55) 43(-5.75,-10.55) 44(-5.25,-10.55) 45(-4.75,-10.55) 46(-4.25,-10.55) 47(-3.75,-10.55) 48(-3.25,-10.55) 49(-2.75,-10.55) 50(-2.25,-10.55) 51(-1.75,-10.55) 52(-1.25,-10.55) 53(-0.75,-10.55) 54(-0.25,-10.55) 55(0.25,-10.55) 56(0.75,-10.55) 57(1.25,-10.55) 58(1.75,-10.55) 59(2.25,-10.55) 60(2.75,-10.55) 61(3.25,-10.55) 62(3.75,-10.55) 63(4.25,-10.55) 64(4.75,-10.55) 65(5.25,-10.55) 66(5.75,-10.55) 67(6.25,-10.55) 68(6.75,-10.55) 69(7.25,-10.55) 70(7.75,-10.55) 71(8.25,-10.55) 72(8.75,-10.55) 109(8.75,10.55) 110(8.25,10.55) 111(7.75,10.55) 112(7.25,10.55) 113(6.75,10.55) 114(6.25,10.55) 115(5.75,10.55) 116(5.25,10.55) 117(4.75,10.55) 118(4.25,10.55) 119(3.75,10.55) 120(3.25,10.55) 121(2.75,10.55) 122(2.25,10.55) 123(1.75,10.55) 124(1.25,10.55) 125(0.75,10.55) 126(0.25,10.55) 127(-0.25,10.55) 128(-0.75,10.55) 129(-1.25,10.55) 130(-1.75,10.55) 131(-2.25,10.55) 132(-2.75,10.55) 133(-3.25,10.55) 134(-3.75,10.55) 135(-4.25,10.55) 136(-4.75,10.55) 137(-5.25,10.55) 138(-5.75,10.55) 139(-6.25,10.55) 140(-6.75,10.55) 141(-7.25,10.55) 142(-7.75,10.55) 143(-8.25,10.55) 144(-8.75,10.55)
  silkscreen extent -10.67,-9.25 9.25,9.58, body extent -10,-10 10,10, height 1.6
MSTBH6 [mil] "Pluggable terminal block-5.08mm pitch - Horizontal"
  oval 82.5x165 hole 55: 1(-500,0) 2(-300,0) 3(-100,0) 4(100,0) 5(300,0) 6(500,0)
  silkscreen extent -625,-394 625,79, body extent -628,-397 628,82, height 327
MSTBV10 [mil]
  oval 82.5x165 hole 55: 1(-900,0) 2(-700,0) 3(-500,0) 4(-300,0) 5(-100,0) 6(100,0) 7(300,0) 8(500,0) 9(700,0) 10(900,0)
  silkscreen extent -1025,-150 1025,180, body extent -1028,-153 1025,183, height 472
OSHW_8X150_NOTEXT [mil]
  silkscreen extent 0,0 167,150, body extent 0,2 168,148
PN61729 [mil]
  round 58 hole 38: 1(50,186) 2(-49.21,186) 3(-49.21,107) 4(50,107)
  round 130.5 hole 87: 5(-236.22,0) 6(237,0)
  body extent -237,-405 238,226, height 406
QFN50P350X350X100_RGY_S-PVQFN-N14 [mm] "QFN, 14-Leads, Body 3.50x3.50mm, Pitch 1.50mm/0.50mm, Thermal Pad 2.05x2.05mm, IPC High Density"
  oval 0.8x0.28 smd: 1(-1.625,-0.75) 7(1.625,-0.75) 8(1.625,0.75) 14(-1.625,0.75)
  oval 0.28x0.8 smd: 2(-1,-1.625) 3(-0.5,-1.625) 4(0,-1.625) 5(0.5,-1.625) 6(1,-1.625) 9(1,1.625) 10(0.5,1.625) 11(0,1.625) 12(-0.5,1.625) 13(-1,1.625)
  rect 2.05x2.05 smd: 15(0,0)
  silkscreen extent -2.66,-1.97 1.97,1.97, body extent -1.83,-1.83 1.83,1.83, height 1
R0402 [mil]
  rrect40% 22x24 smd: 1(-18.9,0) 2(19,0)
  body extent -20,-10 20,10, height 14
R0603#1 [mm]
  rrect40% 0.74x1 smd: 1(-0.68,0) 2(0.68,0)
  body extent -0.8,-0.4 0.8,0.4, height 0.8
R0603#2 [mm]
  rrect40% 0.74x1 smd: 1(0.68,0) 2(-0.68,0)
  body extent -0.8,-0.4 0.8,0.4, height 0.8